# Allegro board C000PD020-3399PRO-DMEB-A-A01.brd (continued)
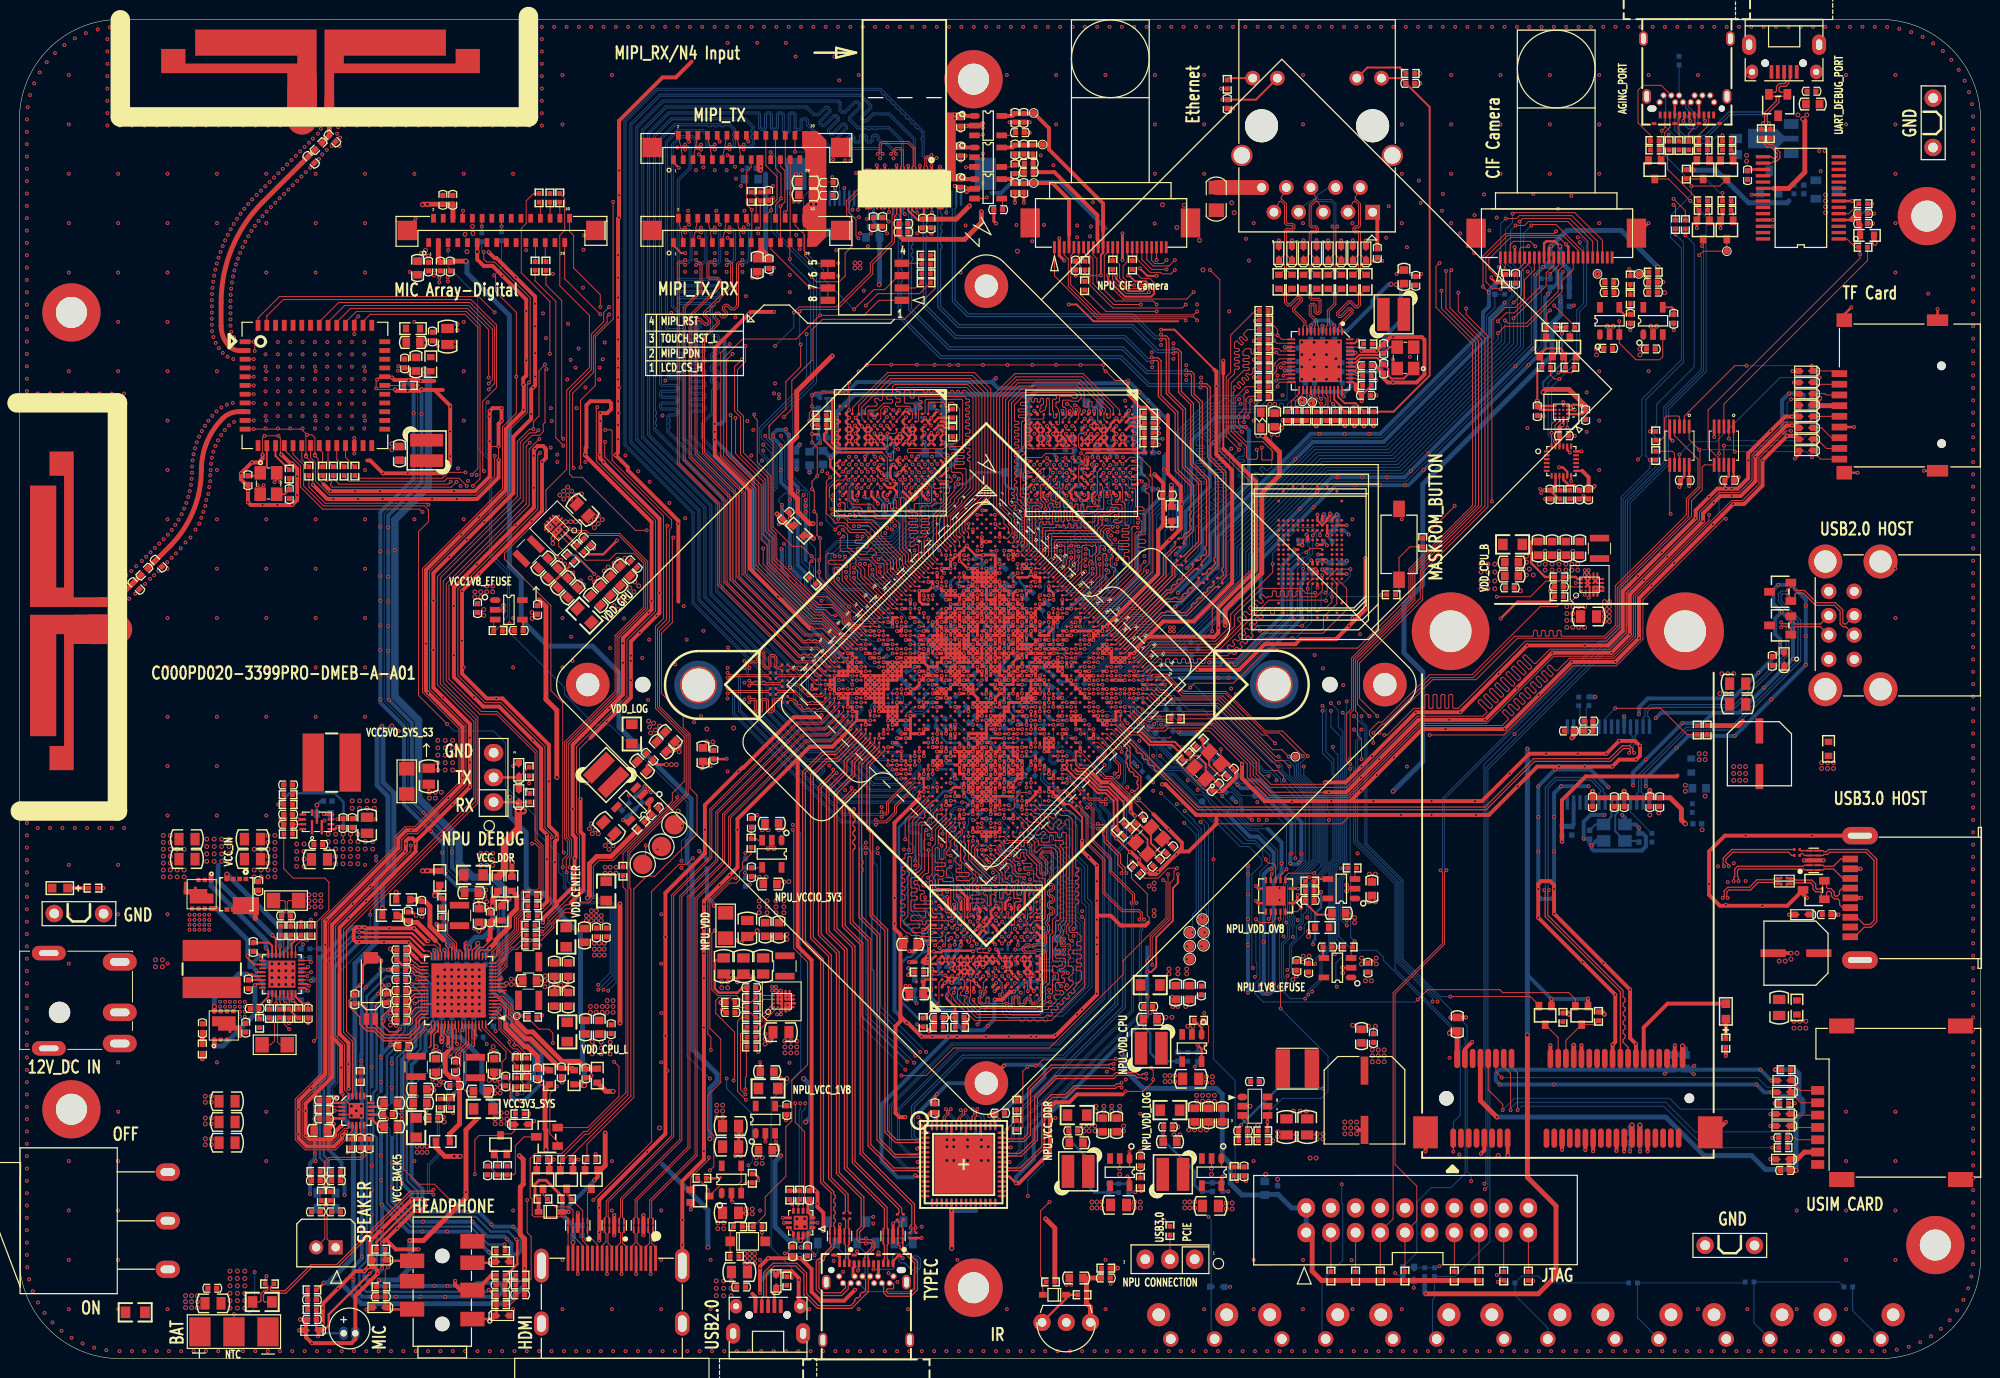
[diagram p0: board, top side]
## Nets
AVDD0V9_DDR0PLL: C1223.1 R1202.2 U1000.R8(DDR0PLL_AVDD_0V9)
AVDD0V9_DDR1PLL: C1225.1 R1203.2 U1000.H14(DDR1PLL_AVDD_0V9)
DVDD3V3_HUB: C2804.1 FB2800.1 U2800.16(DVDD)
GND: ANT6101.2(GND) ANT6103.2(GND) C1000.2 C1001.2 C1002.2 C1003.2 C1004.2 C1005.2 C1006.2 C1007.2 C1008.2 C1009.2 C1010.2 C1011.2 C1012.2 C1013.2 C1014.2 C1015.2 C1016.2 C1017.2 C1018.2 C1019.2 C1020.2 C1021.2 C1022.2 C1023.2 C1024.2 C1025.2 C1026.2 C1027.2 C1028.2 C1029.2 C1030.2 C1031.2 C1032.2 C1033.2 C1034.2 C1035.2 C1036.2 C1037.2 C1038.2 C1039.2 C1040.2 C1041.2 C1042.2 C1043.2 C1044.2 C1045.2 C1046.2 C1047.2 C1048.2 C1049.2 C1050.2 C1051.2 C1052.2 C1053.2 C1054.2 C1055.2 C1056.2 C1057.2 C1058.2 C1059.2 C1060.2 C1061.2 C1062.2 C1063.2 C1064.2 C1065.2 C1066.2 C1067.2 C1068.2 C1069.2 C1070.2 C1071.2 C1072.2 C1073.2 C1080.2 C1100.1 C1101.2 C1102.2 C1103.1 C1104.2 C1105.2 C1106.2 C1107.2 C1108.2 C1109.2 C1110.2 C1111.2 C1112.2 C1113.2 C1114.2 C1115.2 C1116.2 C1117.2 C1118.2 C1119.2 C1120.2 C1200.2 C1201.2 C1202.2 C1203.2 C1204.2 C1205.2 C1206.2 C1207.2 C1208.2 C1209.2 C1210.2 C1211.2 C1212.2 C1213.2 C1214.2 C1215.2 C1216.2 C1217.2 C1218.2 C1219.2 C1220.2 C1221.2 C1222.2 C1223.2 C1224.2 C1225.2 C1226.2 C1227.2 C1228.2 C1229.2 C1230.2 C1231.2 C1232.2 C1233.2 C1234.2 C1235.2 C1300.2 C1301.2 C1303.2 C1304.2 C1400.2 C1401.2 C1402.2 C1403.2 C1404.2 C1405.2 C1406.2 C1407.2 C1416.2 C1417.2 C1418.2 C1419.2 C1430.2 C1431.2 C1433.2 C1500.2 C1501.2 C1502.2 C1503.2 C1504.2 C1505.2 C1507.2 C1600.2 C1601.2 C1602.2 C1700.2 C1701.2 C1702.2 C1703.2 C1704.2 C1713.2 C1714.2 C1722.2 C1723.2 C1900.2 C1901.2 C1902.2 C1903.2 C2000.2 C2001.2 C2002.2 C2006.2 C2009.2 C2010.2 C2011.2 C2012.2 C2013.2 C2014.2 C2015.2 C2019.2 C2020.2 C2021.2 C2024.2 C2025.2 C2027.2 C2028.2 C2029.2 C2030.1 C2031.2 C2033.1 C2034.2 C2035.2 C2036.2 C2037.2 C2038.2 C2040.2 C2045.2 C2046.2 C2047.2 C2048.2 C2049.2 C2050.2 C2100.2 C2101.1 C2102.2 C2103.2 C2104.2 C2105.2 C2106.2 C2107.2 C2108.2 C2109.2 C2110.2 C2111.2 C2112.2 C2113.2 C2114.2 C2115.2 C2116.2 C2117.2 C2118.2 C2119.2 C2120.2 C2121.2 C2122.2 C2123.2 C2124.2 C2125.2 C2126.2 C2127.2 C2128.1 C2129.1 C2130.2 C2133.2 C2134.2 C2135.2 C2136.2 C2137.2 C2138.2 C2139.2 C2142.2 C2143.2 C2144.2 C2145.2 C2150.2 C2200.2 C2201.2 C2202.2 C2203.2 C2204.2 C2205.2 C2206.2 C2207.2 C2208.2 C2209.2 C2210.2 C2211.2 C2212.2 C2214.2 C2215.2 C2216.2 C2217.2 C2218.2 C2220.2 C2221.2 C2222.2 C2223.2 C2226.2 C2228.2 C2230.2 C2231.2 C2232.2 C2233.2 C2234.2 C2237.2 C2238.2 C2239.2 C2240.2 C2242.2 C2243.2 C2248.2 C2249.2 C2250.2 C2256.2 C2257.2 C2270.2 C2273.2 C2274.2 C2275.2 C2276.2 C2277.2 C2279.1 C2280.2 C2281.2 C2282.2 C2500.2 C2501.2 C2510.2 C2606.2 C2607.2 C2608.2 C2609.2 C2610.2 C2611.2 C2612.2 C2613.2 C2614.2 C2615.2 C2800.2 C2801.2 C2802.2 C2803.2 C2804.2 C2805.2 C2806.2 C2807.2 C2808.2 C2809.2 C2810.2 C2814.2 C2815.2 C2816.2 C2817.2 C2818.2 C3100.2 C3101.2 C3102.2 C3103.2 C3104.2 C3105.2 C3106.2 C3107.2 C3108.2 C3109.2 C3110.2 C3111.2 C3112.2 C3115.2 C3116.2 C3117.2 C3118.2 C3119.2 C3120.2 C3121.2 C3122.2 C3123.2 C3124.2 C3125.2 C3126.2 C3127.2 C3600.2 C3601.2 C3602.2 C3603.2 C3604.2 C3605.2 C3606.2 C3607.2 C3608.2 C3609.2 C3610.2 C3611.2 C3612.2 C3613.2 C3614.2 C3615.2 C3616.2 C3617.2 C3618.2 C3619.2 C3620.2 C3621.2 C3622.2 C3623.2 C3624.2 C3625.2 C3626.2 C3627.2 C3628.2 C3629.2 C3630.2 C3631.2 C3632.2 C3633.2 C3634.2 C3635.2 C3636.2 C3637.2 C3638.2 C3639.2 C3640.2 C3641.2 C3644.2 C3645.2 C3646.2 C3647.2 C3648.2 C3649.2 C3650.2 C3651.2 C3652.2 C3653.2 C4100.1 C4101.2 C4102.2 C4103.2 C4104.2 C4105.2 C4600.2 C4601.2 C4602.2 C4603.2 C4604.2 C4605.2 C4606.2 C4700.2 C4701.2 C4702.2 C4703.2 C4704.2 C4705.2 C4706.2 C4707.2 C4708.2 C4709.2 C4710.2 C4711.2 C4720.2 C4721.2 C4723.2 C4802.2 C4803.2 C4804.2 C4806.2 C4807.2 C4808.2 C4809.2 C4810.2 C4811.2 C4820.2 C4821.2 C4823.2 C4845.2 C4846.2 C4847.2 C5002.2 C5003.2 C5004.2 C5005.2 C5100.2 C5101.2 C5102.2 C5103.2 C5104.2 C5105.2 C5106.2 C5107.2 C6101.2 C6102.2 C6104.2 C6105.2 C6106.2 C6107.2 C6108.2 C6109.2 C6110.2 C6111.2 C6112.2 C6113.2 C6500.2 C6501.2 C6502.2 C6503.2 C6504.2 C6505.2 C6506.2 C6507.2 C6508.2 C6509.2 C6510.2 C6511.2 C6512.2 C6513.2 C6514.2 C6515.2 C6516.2 C6517.2 C6518.2 C6519.2 C6520.2 C6521.2 C6522.2 C7000.2 C7001.2 C7002.2 C7003.2 C7004.2 C7005.2 C7006.2 C7500.2 C7501.2 C7502.1 C7503.1 C7504.2 C7505.2 C7506.2 C7507.2 C7510.2 C7511.2 C7512.2 C7513.2 C7516.2 C7517.2 C7518.2 C7519.1 C8200.2 C8201.2 C8302.2 C8303.2 C8304.2 C8305.2 C8306.2 C8308.2 C8309.2 C8311.2 C8312.2 C8313.2 C8314.2 C8315.2 C9000.2 C9001.2 C9002.2 C9003.2 C9004.2 C9005.2 C9020.2 C9021.2 C9100.2 C9101.2 C9600.2 C9601.2 C9602.2 C9603.2 C9604.2 C9605.2 C9606.2 C9700.2 C9701.2 C9702.2 C9703.2 C9704.2 C9707.2 C9708.2 C9710.2 C9730.2 C9731.2 C9926.2 C9933.2 C9934.2 C9939.2 C9940.2 C9941.2 C9942.2 C9943.2 D6500.2 D6501.2 D6502.2 D6503.2 D6504.2 D6505.2 D6506.2 D6507.2 D8901.1(ANODE) D9100.2 ED1300.2 ED1301.2 ED1500.2 ED2100.2 ED2101.2 ED2500.2 ED2501.3 ED2600.2 ED2800.3 ED2801.3 ED2802.2 ED7000.2 ED7001.2 ED7002.2 ED7003.2 ED7004.2 ED8300.2 ED8301.2 ED8302.2 ED8303.2 ED8304.2 ED9100.2 ED9101.2 ED9102.2 ED9103.2 ED9104.2 ED9105.2 ED9106.2 GND001.1 GND001.2 GND002.1 GND002.2 GND003.1 GND003.2 H1.1 H2.1 H3.1 H4.1 H5.1 H6.1 J001.1 J001.2 J1300.3 J2000.2 J2000.3 J2000.4 J2000.5 J2501.4(GND#4) J2501.7(GND#7) J2501.10(SHELL1) J2501.11(SHELL2) J2600.A1(GND1) J2600.A12(GND2) J2600.B1(GND3) J2600.B12(GND4) J2600.E1(GND_E1) J2600.E2(GND_E2) J2600.E3(GND_E3) J2600.E4(GND_E4) J2600.E5(GND_E5) J2600.E6(GND_E6) J2600.E7(GND_E7) J2600.E8(GND_E8) J2601.5(GND) J2601.6(G1) J2601.7(G2) J2601.8(G3) J2601.9(G4) J2800.A4(GND_A) J2800.B4(GND_B) J2800.H1(GND_0) J2800.H2(GND_1) J2800.H3(GND_2) J2800.H4(GND_3) J4600.1(GND_1) J4600.4(GND_4) J4600.7(GND_7) J4600.10(GND_10) J4600.13(GND_13) J4600.15(GND_15) J4600.16(GND_16) J4600.19(GND_19) J4600.23(GND_23) J4600.25(GND_25) J4600.28(GND_28) J4600.31(G_31) J4600.32(G_32) J4600.33(G_33) J4600.34(G_34) J4700.2(AGND) J4700.15(DGND) J4700.25(GND#25) J4700.26(GND#26) J4800.2(AGND) J4800.15(DGND) J4800.25(GND#25) J4800.26(GND#26) J5000.1(GND_0) J5000.4(GND_1) J5000.7(GND_2) J5000.10(GND_3) J5000.13(GND_4) J5000.16(GND_5) J5000.18(GND_6) J5000.27(GND_7) J5000.31(GND_8) J5000.32(GND_9) J5100.1(GND_0) J5100.4(GND_1) J5100.7(GND_2) J5100.10(GND_3) J5100.13(GND_4) J5100.16(GND_5) J5100.27(GND_6) J5100.31(GND_7) J5100.32(GND_8) J5101.1(GND_0) J5101.4(GND_1) J5101.7(GND_2) J5101.10(GND_3) J5101.13(GND_4) J5101.16(GND_5) J5101.27(GND_7) J5101.31(GND_8) J5101.32(GND_9) J6500.15 J6500.16 J7000.2 J7500.4 J7500.7 J7500.9 J7500.11 J7500.13 J7500.15 J7500.17 J7500.27 J7500.31(GND_31) J7500.32(GND_32) J8200.2 J8200.5 J8200.8 J8200.11 J8200.17 J8200.20 J8200.21 J8200.22 J8200.23 J8300.4(GND#4) J8300.9(GND#9) J8300.15(GND#15) J8300.18(GND#18) J8300.21(GND#21) J8300.26(GND#26) J8300.27(GND#27) J8300.29(GND#29) J8300.34(GND#34) J8300.35(GND#35) J8300.37(GND#37) J8300.40(GND#40) J8300.43(GND#43) J8300.50(GND#50) J8300.53(HOLE1) J8300.54(HOLE2) J8300.55(HOLE3) J8300.56(HOLE4) J8301.1(GND1) J8301.2(GND2) J8301.3(GND3) J8301.4(GND4) J8301.C5(GND) J9100.6(VSS) J9100.10(G1) J9100.11(G2) J9100.12(G3) J9100.13(G4) J9701.5(GND) J9701.6(G1) J9701.7(G2) J9701.8(G3) J9701.9(G4) J9702.A1(GND1) J9702.A12(GND2) J9702.B1(GND3) J9702.B8(SBU2) J9702.B12(GND4) J9702.E1(GND_E1) J9702.E2(GND_E2) J9702.E3(GND_E3) J9702.E4(GND_E4) J9702.E5(GND_E5) J9702.E6(GND_E6) J9702.E7(GND_E7) J9702.E8(GND_E8) J9710.4(GND1) J9710.6(GND2) J9710.8(GND3) J9710.10(GND4) J9710.12(GND5) J9710.14(GND6) J9710.16(GND7) J9710.18(GND8) J9710.20(GND9) J9711.3 LED2002.2(CATHODE) MIC7000.2 Q2002.5(S2_3) Q2002.6(S2_2) Q2002.7(S2_1) Q2003.5(S2_3) Q2003.6(S2_2) Q2003.7(S2_1) Q2100.2(SOURCE) Q2600.2(SOURCE) Q9702.2(SOURCE) Q9703.2(SOURCE) Q9704.2(SOURCE) Q9705.2(SOURCE) Q9706.2(SOURCE) R1000.2 R1103.2 R1108.1 R1110.1 R1204.2 R1205.2 R1207.2 R1300.2 R1400.2 R1401.2 R1402.1 R1403.2 R1418.2 R1509.2 R1513.2 R1514.2 R1700.2 R1702.2 R1703.2 R1704.2 R1706.2 R1903.2 R2024.2 R2028.2 R2030.1 R2031.2 R2035.2 R2037.1 R2041.1 R2042.1 R2043.2 R2114.2 R2118.2 R2124.2 R2161.2 R2212.2 R2213.2 R2220.2 R2221.2 R2271.2 R2606.2 R2607.2 R2613.2 R2615.2 R2800.1 R2803.2 R2808.2 R3100.2 R3101.2 R3106.2 R3107.2 R3600.2 R3601.2 R3602.2 R3603.2 R3608.2 R3609.2 R3610.2 R3611.2 R4706.2 R5103.1 R5105.1 R6508.1 R6511.2 R6513.2 R6515.2 R6517.2 R6519.2 R6520.2 R6522.2 R6524.2 R7006.2 R7012.2 R7505.2 R7510.1 R7511.1 R7512.1 R7516.2 R7517.1 R8309.2 R8310.2 R9004.2 R9600.2 R9601.2 R9712.2 R9713.2 R9714.2 R9716.2 R9722.2 R9723.2 R9725.2 R9726.2 R9727.2 R9734.1 R9735.1 R9826.1 SW1500.1 SW1500.3 SW1500.4 SW1501.1 SW1501.3 SW1501.4 SW1502.1 SW1502.3 SW1502.4 SW1503.1 SW1503.3 SW1503.4 SW1504.1 SW1504.3 SW1504.4 SW2100.1 SW2100.3 SW2100.4 SW2101.1 SW2101.3 SW2101.4 SW4100.1 TP4612.1 TP9705.1 TP9711.1 U1000.1(S1) U1000.2(S2) U1000.3(S3) U1000.4(S4) U1000.A1(VSS_1) U1000.A27(VSS_2) U1000.A33(VSS_67) U1000.A40(VSS_212) U1000.AA3(VSS_4) U1000.AA5(VSS_5) U1000.AA9(VSS_6) U1000.AA10(VSS_179) U1000.AA11(AVSS_13) U1000.AA12(AVSS_17) U1000.AA13(VSS_177) U1000.AA14(AVSS_26) U1000.AA15(AVSS_53) U1000.AA23(AVSS_4) U1000.AA25(AVSS_14) U1000.AA26(AVSS_40) U1000.AA29(VSS_290) U1000.AA34(VSS_233) U1000.AA35(NPU_AVSS1_4) U1000.AA38(NPU_AVSS1_5) U1000.AA39(NPU_OSC_VSS_2) U1000.AA40(NPU_AVSS1_3) U1000.AB9(VSS_9) U1000.AB10(AVSS_12) U1000.AB11(AVSS_8) U1000.AB13(AVSS_9) U1000.AB15(AVSS_42) U1000.AB16(AVSS_41) U1000.AB17(AVSS_52) U1000.AB19(VSS_140) U1000.AB23(AVSS_5) U1000.AB26(VSS_315) U1000.AB32(VSS_291) U1000.AC3(VSS_16) U1000.AC11(AVSS_44) U1000.AC13(AVSS_45) U1000.AC15(AVSS_10) U1000.AC16(AVSS_18) U1000.AC17(AVSS_43) U1000.AC18(VSS_145) U1000.AC19(VSS_314) U1000.AC20(VSS_13) U1000.AC21(VSS_132) U1000.AC22(VSS_12) U1000.AC23(AVSS_19) U1000.AC25(AVSS_51) U1000.AC26(VSS_316) U1000.AC38(NPU_AVSS1_7) U1000.AD3(VSS_17) U1000.AD5(VSS_18) U1000.AD10(VSS_19) U1000.AD13(AVSS_11) U1000.AD17(AVSS_16) U1000.AD21(VSS_163) U1000.AD22(VSS_11) U1000.AD23(AVSS_2) U1000.AD25(AVSS_3) U1000.AD26(VSS_317) U1000.AD31(VSS_288) U1000.AD35(NPU_AVSS1_8) U1000.AD38(NPU_AVSS1_9) U1000.AE11(AVSS_21) U1000.AE12(AVSS_22) U1000.AE14(AVSS_23) U1000.AE17(AVSS_24) U1000.AE23(VSS_14) U1000.AE29(VSS_287) U1000.AE30(VSS_247) U1000.AE32(NPU_OSC_VSS_1) U1000.AE33(NPU_AVSS1_10) U1000.AE39(VSS_214) U1000.AE40(VSS_213) U1000.AF9(VSS_20) U1000.AF10(AVSS_78) U1000.AF13(AVSS_88) U1000.AF16(AVSS_90) U1000.AF17(AVSS_27) U1000.AF18(VSS_7) U1000.AF20(VSS_10) U1000.AF26(VSS_345) U1000.AF34(VSS_240) U1000.AF38(VSS_207) U1000.AG2(VSS_21) U1000.AG5(VSS_23) U1000.AG9(VSS_312) U1000.AG10(AVSS_79) U1000.AG13(AVSS_89) U1000.AG16(VSS_337) U1000.AG25(VSS_255) U1000.AG26(VSS_344) U1000.AG28(VSS_259) U1000.AG31(NPU_PLL_AVSS) U1000.AG34(VSS_258) U1000.AG35(VSS_241) U1000.AG38(VSS_208) U1000.AH8(VSS_256) U1000.AH9(VSS_334) U1000.AH24(VSS_304) U1000.AH26(VSS_311) U1000.AH28(VSS_305) U1000.AH29(VSS_253) U1000.AH32(NPU_AVSS1_11) U1000.AJ7(VSS_210) U1000.AJ8(VSS_327) U1000.AJ9(VSS_335) U1000.AJ10(AVSS_91) U1000.AJ13(AVSS_87) U1000.AJ16(VSS_338) U1000.AJ21(VSS_303) U1000.AJ26(VSS_265) U1000.AJ29(VSS_257) U1000.AJ32(VSS_306) U1000.AJ34(NPU_AVSS1_12) U1000.AJ35(VSS_250) U1000.AJ38(VSS_205) U1000.AK5(VSS_209) U1000.AK8(VSS_313) U1000.AK9(VSS_336) U1000.AK10(AVSS_92) U1000.AK13(AVSS_86) U1000.AK16(VSS_339) U1000.AK25(VSS_343) U1000.AK26(VSS_254) U1000.AK29(VSS_331) U1000.AK30(VSS_264) U1000.AK32(VSS_307) U1000.AK36(VSS_242) U1000.AK38(VSS_206) U1000.AL8(VSS_328) U1000.AL9(AVSS_77) U1000.AL20(VSS_281) U1000.AL24(VSS_222) U1000.AL26(VSS_263) U1000.AL29(VSS_226) U1000.AL30(VSS_330) U1000.AL32(VSS_308) U1000.AM2(AVSS_64) U1000.AM3(VSS_22) U1000.AM7(VSS_211) U1000.AM8(AVSS_38) U1000.AM9(AVSS_39) U1000.AM10(AVSS_80) U1000.AM13(AVSS_85) U1000.AM16(VSS_340) U1000.AM19(VSS_131) U1000.AM21(VSS_302) U1000.AM23(VSS_332) U1000.AM26(VSS_260) U1000.AM29(VSS_262) U1000.AM30(VSS_227) U1000.AM32(VSS_309) U1000.AM33(VSS_248) U1000.AM34(VSS_246) U1000.AM38(VSS_203) U1000.AN3(AVSS_63) U1000.AN4(VSS_199) U1000.AN5(VSS_296) U1000.AN6(AVSS_70) U1000.AN7(AVSS_66) U1000.AN8(AVSS_67) U1000.AN9(AVSS_71) U1000.AN10(AVSS_81) U1000.AN13(AVSS_84) U1000.AN16(VSS_341) U1000.AN19(VSS_282) U1000.AN26(NPU_AVSS2_3) U1000.AN27(VSS_252) U1000.AN28(VSS_243) U1000.AN29(VSS_329) U1000.AN30(VSS_261) U1000.AN32(VSS_310) U1000.AN33(NPU_DDR_AVSS) U1000.AN34(VSS_232) U1000.AN38(VSS_204) U1000.AP8(AVSS_65) U1000.AP9(AVSS_68) U1000.AP11(AVSS_82) U1000.AP12(AVSS_83) U1000.AP14(VSS_225) U1000.AP15(VSS_301) U1000.AP17(VSS_284) U1000.AP18(VSS_283) U1000.AP23(VSS_223) U1000.AP24(NPU_AVSS2_4) U1000.AP30(VSS_249) U1000.AP32(VSS_245) U1000.AP33(VSS_244) U1000.AP36(VSS_234) U1000.AR3(AVSS_33) U1000.AR4(AVSS_72) U1000.AR7(AVSS_59) U1000.AR8(AVSS_60) U1000.AR9(AVSS_69) U1000.AR11(VSS_297) U1000.AR12(VSS_298) U1000.AR14(VSS_299) U1000.AR15(VSS_300) U1000.AR18(AVSS_47) U1000.AR20(NPU_AVSS2_1) U1000.AR21(NPU_AVSS2_2) U1000.AR23(NPU_AVSS2_5) U1000.AR24(NPU_AVSS2_6) U1000.AR38(VSS_201) U1000.AT3(AVSS_57) U1000.AT7(AVSS_58) U1000.AT29(VSS_198) U1000.AT30(VSS_239) U1000.AT33(VSS_236) U1000.AT35(VSS_235) U1000.AT38(VSS_202) U1000.AU3(AVSS_34) U1000.AU6(AVSS_73) U1000.AU38(VSS_229) U1000.AV3(AVSS_35) U1000.AV4(AVSS_56) U1000.AV5(AVSS_55) U1000.AV6(AVSS_31) U1000.AV8(AVSS_36) U1000.AV9(AVSS_37) U1000.AV11(VSS_175) U1000.AV12(VSS_176) U1000.AV14(VSS_180) U1000.AV15(VSS_172) U1000.AV17(VSS_173) U1000.AV18(VSS_174) U1000.AV20(NPU_AVSS2_7) U1000.AV21(NPU_AVSS2_8) U1000.AV23(NPU_AVSS2_9) U1000.AV24(NPU_AVSS2_10) U1000.AV27(VSS_221) U1000.AV29(VSS_220) U1000.AV30(VSS_219) U1000.AV32(VSS_218) U1000.AV33(VSS_217) U1000.AV35(VSS_216) U1000.AV36(VSS_215) U1000.AV37(VSS_228) U1000.AV38(VSS_237) U1000.AW10(AVSS_61) U1000.AW25(VSS_230) U1000.AW39(VSS_238) U1000.AY1(AVSS_54) U1000.AY2(AVSS_32) U1000.AY10(AVSS_62) U1000.AY25(VSS_200) U1000.AY40(VSS_178) U1000.B5(VSS_24) U1000.B27(VSS_56) U1000.B33(VSS_181) U1000.C8(VSS_25) U1000.C9(VSS_26) U1000.C11(VSS_27) U1000.C12(VSS_28) U1000.C14(VSS_29) U1000.C15(VSS_30) U1000.C17(VSS_31) U1000.C18(VSS_32) U1000.C20(VSS_33) U1000.C21(VSS_34) U1000.C23(VSS_35) U1000.C24(VSS_36) U1000.C26(VSS_37) U1000.C27(EDP_AVSS_7) U1000.C29(EDP_AVSS_3) U1000.C30(EDP_AVSS_4) U1000.C32(EDP_AVSS_1) U1000.C33(VSS_182) U1000.C36(VSS_187) U1000.C38(VSS_192) U1000.D5(VSS_38) U1000.D27(VSS_47) U1000.D29(VSS_183) U1000.D30(VSS_185) U1000.D32(VSS_184) U1000.E2(VSS_39) U1000.E4(VSS_40) U1000.E7(VSS_41) U1000.E12(VSS_42) U1000.E15(VSS_43) U1000.E18(VSS_44) U1000.E21(VSS_45) U1000.E24(VSS_46) U1000.E35(VSS_231) U1000.E37(VSS_197) U1000.F8(VSS_48) U1000.F15(VSS_49) U1000.F18(VSS_50) U1000.F20(VSS_51) U1000.F21(VSS_52) U1000.F32(VSS_171) U1000.F34(VSS_193) U1000.G5(VSS_53) U1000.G9(VSS_54) U1000.G18(VSS_55) U1000.H3(VSS_57) U1000.H9(VSS_58) U1000.H10(VSS_59) U1000.H11(VSS_60) U1000.H12(VSS_61) U1000.H13(VSS_62) U1000.H15(VSS_63) U1000.H16(VSS_64) U1000.H17(VSS_65) U1000.H18(VSS_66) U1000.H19(EDP_AVSS_5) U1000.H22(EDP_AVSS_2) U1000.H25(VSS_188) U1000.H28(VSS_189) U1000.H31(VSS_190) U1000.H34(VSS_191) U1000.J3(VSS_68) U1000.J6(VSS_69) U1000.J7(VSS_70) U1000.J8(VSS_71) U1000.J9(VSS_72) U1000.J10(VSS_73) U1000.J21(EDP_AVSS_6) U1000.J28(VSS_280) U1000.J29(VSS_251) U1000.J30(VSS_325) U1000.J31(VSS_278) U1000.J36(VSS_194) U1000.J38(VSS_196) U1000.K8(VSS_74) U1000.K9(VSS_75) U1000.K10(VSS_76) U1000.K12(VSS_77) U1000.K14(VSS_78) U1000.K16(VSS_79) U1000.K18(VSS_80) U1000.K20(VSS_82) U1000.K22(VSS_84) U1000.K26(VSS_224) U1000.K27(VSS_275) U1000.K39(VSS_3) U1000.L3(VSS_85) U1000.L6(VSS_86) U1000.L8(VSS_87) U1000.L11(VSS_88) U1000.L12(VSS_89) U1000.L13(VSS_90) U1000.L14(VSS_91) U1000.L15(VSS_92) U1000.L16(VSS_93) U1000.L20(VSS_96) U1000.L22(VSS_97) U1000.L25(VSS_276) U1000.L26(VSS_277) U1000.L27(VSS_99) U1000.L28(VSS_274) U1000.L29(VSS_285) U1000.L30(VSS_324) U1000.L31(VSS_326) U1000.L32(VSS_279) U1000.L33(VSS_268) U1000.L38(VSS_267) U1000.M3(VSS_100) U1000.M8(VSS_101) U1000.M10(VSS_102) U1000.M16(VSS_103) U1000.M23(VSS_104) U1000.M24(VSS_321) U1000.M25(VSS_323) U1000.M36(VSS_195) U1000.M37(VSS_266) U1000.M38(VSS_186) U1000.N8(VSS_105) U1000.N13(VSS_108) U1000.N14(VSS_109) U1000.N15(VSS_110) U1000.N16(VSS_111) U1000.N17(VSS_94) U1000.N19(VSS_83) U1000.N21(VSS_98) U1000.N23(VSS_322) U1000.N32(VSS_289) U1000.P3(VSS_112) U1000.P6(VSS_113) U1000.P7(VSS_114) U1000.P8(VSS_115) U1000.P10(VSS_116) U1000.P11(VSS_106) U1000.P12(VSS_107) U1000.P16(VSS_117) U1000.P17(PLL_AVSS) U1000.P19(VSS_119) U1000.P21(VSS_121) U1000.P26(VSS_292) U1000.P27(VSS_293) U1000.P34(VSS_269) U1000.P35(AVSS_20) U1000.P38(AVSS_15) U1000.R3(VSS_123) U1000.R5(VSS_124) U1000.R6(VSS_125) U1000.R14(VSS_129) U1000.R15(VSS_130) U1000.R16(VSS_COM) U1000.R18(VSS_165) U1000.R21(VSS_120) U1000.R23(VSS_133) U1000.R25(VSS_150) U1000.R31(VSS_270) U1000.R34(VSS_272) U1000.R35(AVSS_25) U1000.R38(AVSS_48) U1000.T8(VSS_134) U1000.T10(VSS_135) U1000.T16(VSS_138) U1000.T18(VSS_168) U1000.T19(VSS_122) U1000.T21(VSS_139) U1000.T26(VSS_294) U1000.T27(VSS_295) U1000.T29(VSS_160) U1000.T32(VSS_271) U1000.U3(VSS_141) U1000.U8(VSS_142) U1000.U11(VSS_126) U1000.U12(VSS_127) U1000.U14(VSS_137) U1000.U15(VSS_143) U1000.U16(VSS_144) U1000.U19(VSS_146) U1000.U21(VSS_147) U1000.U22(VSS_149) U1000.U23(AVSS_49) U1000.U26(AVSS_74) U1000.U27(VSS_318) U1000.U35(AVSS_28) U1000.U38(AVSS_30) U1000.V3(VSS_151) U1000.V5(VSS_152) U1000.V8(VSS_153) U1000.V10(VSS_154) U1000.V17(VSS_148) U1000.V23(AVSS_50) U1000.V26(AVSS_75) U1000.V27(VSS_319) U1000.V29(VSS_273) U1000.V35(AVSS_29) U1000.V38(AVSS_7) U1000.W8(VSS_161) U1000.W9(VSS_162) U1000.W13(VSS_128) U1000.W17(VSS_159) U1000.W18(VSS_169) U1000.W19(VSS_167) U1000.W21(VSS_81) U1000.W22(VSS_158) U1000.W23(AVSS_46) U1000.W26(AVSS_6) U1000.W32(VSS_286) U1000.W39(VSS_320) U1000.Y3(VSS_8) U1000.Y9(VSS_166) U1000.Y10(VSS_15) U1000.Y11(VSS_155) U1000.Y12(VSS_136) U1000.Y13(VSS_164) U1000.Y14(VSS_156) U1000.Y15(VSS_157) U1000.Y16(VSS_118) U1000.Y17(VSS_95) U1000.Y20(VSS_170) U1000.Y23(AVSS_1) U1000.Y25(AVSS_76) U1000.Y33(VSS_342) U1000.Y34(VSS_333) U1000.Y35(NPU_AVSS1_1) U1000.Y38(NPU_AVSS1_2) U1300.8(GND) U1300.15(EPAD) U2000.2(PGND) U2000.10(AGND) U2003.14(CMPIN) U2003.27(PGND) U2003.33(EPAD) U2102.4(GND#4) U2102.7(GND#7) U2102.10(GND#10) U2102.33(GND#33) U2102.36(GND#36) U2102.39(GND#39) U2102.46(GND#46) U2102.49(GND#49) U2102.52(GND#52) U2102.57(E-PAD) U2200.B2(GND1) U2200.B3(GND2) U2200.B4(AGND) U2200.C1(GND3) U2200.C2(GND4) U2200.C3(GND5) U2200.C4(GND6) U2201.B2(GND1) U2201.B3(GND2) U2201.B4(AGND) U2201.C1(GND3) U2201.C2(GND4) U2201.C3(GND5) U2201.C4(GND6) U2202.2(GND) U2203.2(GND) U2204.2(GND) U2205.2(GND) U2206.B2(GND1) U2206.B3(GND2) U2206.B4(AGND) U2206.C1(GND3) U2206.C2(GND4) U2206.C3(GND5) U2206.C4(GND6) U2207.2(GND) U2208.2(GND) U2209.2(GND) U2506.3(GND#3) U2506.8(GND#8) U2600.8(GND_8) U2600.9(GND_9) U2600.15(EPAD) U2601.3(GND#3) U2601.8(GND#8) U2602.3(GND#3) U2602.8(GND#8) U2603.3 U2604.3 U2605.3 U2606.2(GND) U2800.15(GND) U3100.B2(VSS1) U3100.B5(VSS2) U3100.B6(VSSQ1) U3100.B12(VSSQ2) U3100.C3(VSSCA1) U3100.C5(VSS3) U3100.C6(VSSQ3) U3100.D3(VSSCA2) U3100.D12(VSSQ4) U3100.E4(VSS4) U3100.E5(VSS5) U3100.E6(VSSQ5) U3100.F4(VSSCA3) U3100.F5(VSS6) U3100.F6(VSSQ6) U3100.F12(VSSQ7) U3100.G3(VSSCA4) U3100.G4(VSSCA5) U3100.G6(VSSQ8) U3100.G9(VSSQ9) U3100.H2(VSS7) U3100.H10(VSSQ10) U3100.J4(VSSCA6) U3100.J12(VSS8) U3100.K2(VSS9) U3100.K10(VSSQ11) U3100.L6(VSS10) U3100.L9(VSSQ12) U3100.M4(VSSCA7) U3100.M5(VSS11) U3100.M6(VSSQ13) U3100.M12(VSSQ14) U3100.N4(VSS12) U3100.N5(VSS13) U3100.N6(VSSQ15) U3100.P3(VSSCA8) U3100.P12(VSSQ16) U3100.R4(VSS14) U3100.R5(VSS15) U3100.R6(VSSQ17) U3100.T2(VSS16) U3100.T3(VSS17) U3100.T4(VSS18) U3100.T5(VSS19) U3100.T6(VSSQ18) U3100.T12(VSSQ19) U3600.B2(VSS1) U3600.B5(VSS2) U3600.B6(VSSQ1) U3600.B12(VSSQ2) U3600.C3(VSSCA1) U3600.C5(VSS3) U3600.C6(VSSQ3) U3600.D3(VSSCA2) U3600.D12(VSSQ4) U3600.E4(VSS4) U3600.E5(VSS5) U3600.E6(VSSQ5) U3600.F4(VSSCA3) U3600.F5(VSS6) U3600.F6(VSSQ6) U3600.F12(VSSQ7) U3600.G3(VSSCA4) U3600.G4(VSSCA5) U3600.G6(VSSQ8) U3600.G9(VSSQ9) U3600.H2(VSS7) U3600.H10(VSSQ10) U3600.J4(VSSCA6) U3600.J12(VSS8) U3600.K2(VSS9) U3600.K10(VSSQ11) U3600.L6(VSS10) U3600.L9(VSSQ12) U3600.M4(VSSCA7) U3600.M5(VSS11) U3600.M6(VSSQ13) U3600.M12(VSSQ14) U3600.N4(VSS12) U3600.N5(VSS13) U3600.N6(VSSQ15) U3600.P3(VSSCA8) U3600.P12(VSSQ16) U3600.R4(VSS14) U3600.R5(VSS15) U3600.R6(VSSQ17) U3600.T2(VSS16) 